# Altium PCB LED_12T-V1.1拼.PcbDoc (part 5 of 5)
Units mm, origin at the board's own origin, x right, y up, seen from the top; angles counter-clockwise.
Board outline 152.4 x 101.6 mm, 2 copper layers (Top Layer, Bottom Layer); 148 components, 0 nets, 416 pads, 236 vias.
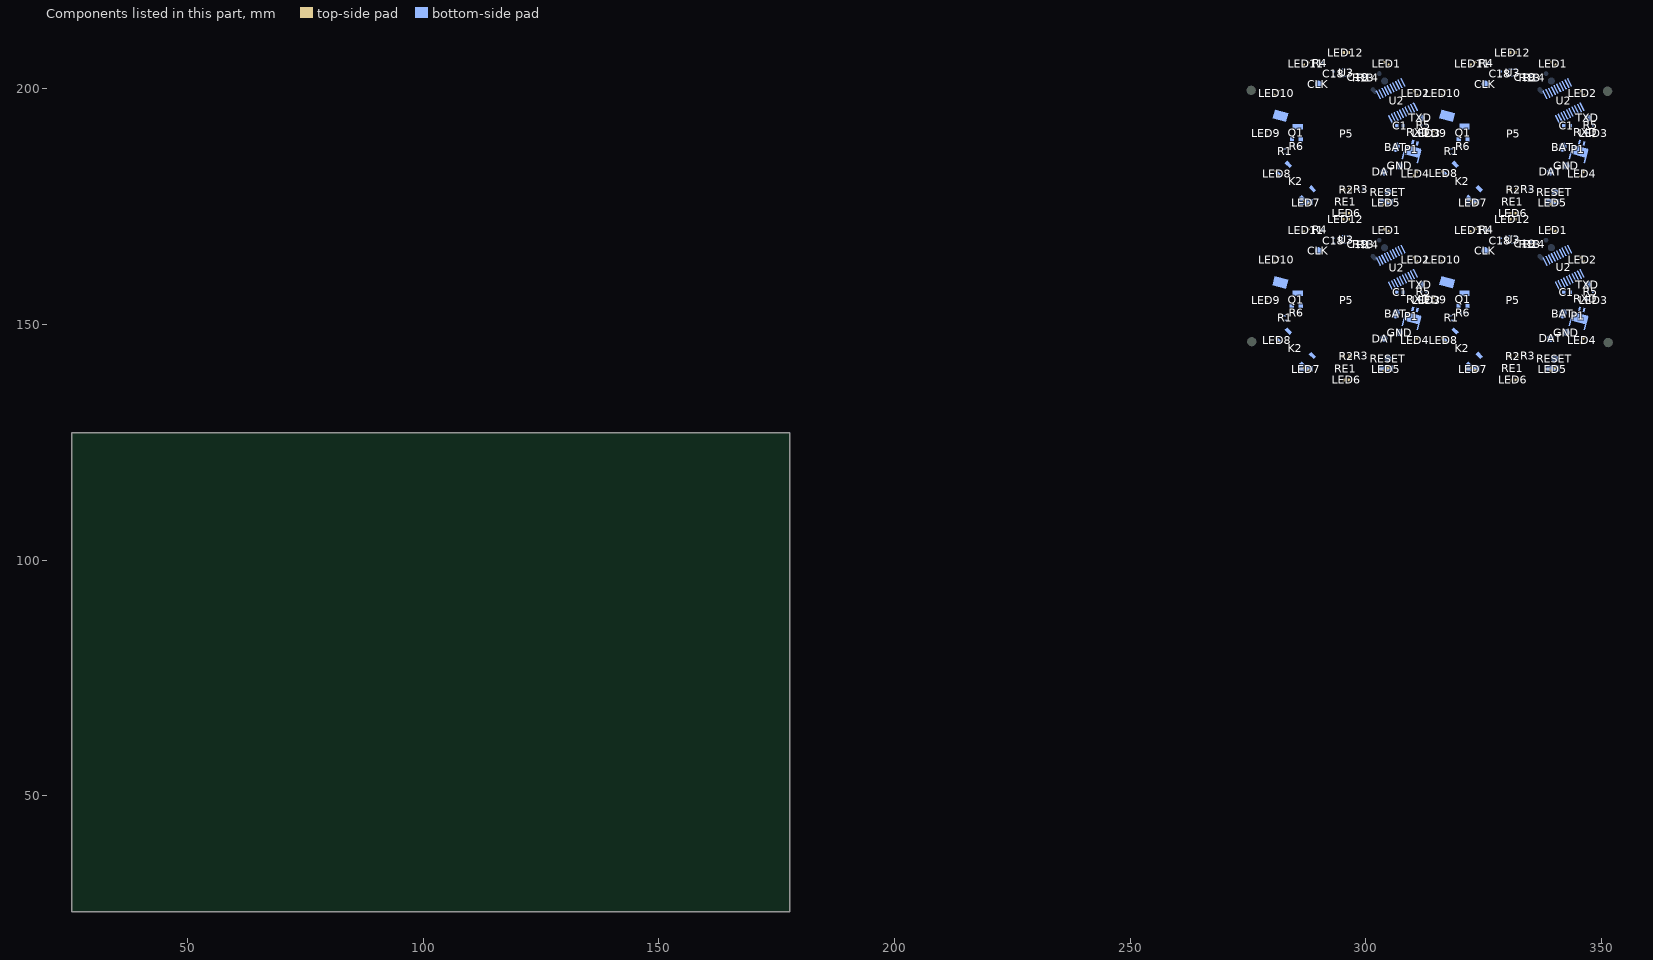
[diagram p5: the components of this part, seen from the top]

## Via types
v1: diameter 0.5, hole 0.3, Top Layer to Bottom Layer, 236 vias

## Nets (pads, with @x,y where several pads share a name; then routed paths per layer and width w, separated by ;. In a path a pad name is that pad's centre, name@x,y a point inside that pad or via, vN(x,y) a via of type N, cw(c..) or ccw(c..) an arc to the next point about the centre after c; other vN are vias at no path point) (continued)
copper on no net: (continued)
  Bottom Layer w0.254: v1@344.305,191.159 344.291,191.974 344.546,192.006 344.728,191.928 344.82,190.807 ; v1@344.349,155.683 345.333,153.453 ; v1@344.354,191.042 345.339,188.812 ; v1@344.357,155.782 v1@344.472,156.348 ; v1@344.363,191.141 v1@344.478,191.707 ; 344.371,152.908 344.443,152.871 ; v1@344.372,155.767 v1@344.379,156.334 ; 344.375,152.54 344.388,152.794 ; 344.376,188.267 344.449,188.23 ; v1@344.377,191.126 v1@344.384,191.693 ; v1@344.379,155.678 345.434,153.599 ; 344.38,187.899 344.393,188.153 ; v1@344.384,191.037 345.439,188.958 ; 344.409,148.722 v1@344.52,148.975 ; 344.414,152.899 344.805,152.194 ; 344.414,184.081 v1@344.525,184.334 ; 344.419,188.258 344.811,187.553 ; 344.428,153.335 344.438,153.325 344.438,152.942 ; 344.433,188.694 344.443,188.684 344.443,188.301 ; v1@344.505,155.82 345.581,153.798 ; v1@344.511,191.179 345.587,189.158 ; v1@344.516,155.885 345.476,153.913 ; v1@344.521,191.244 345.482,189.273 ; 344.547,148.422 344.833,148.86 ; 344.553,183.781 344.839,184.219 ; 344.593,152.604 344.593,152.585 345.3,152.024 346.385,151.929 ; 344.599,187.963 344.599,187.944 345.305,187.383 346.391,187.288 ; v1@344.63,156.391 344.637,155.638 ; v1@344.635,191.751 344.643,190.997 ; v1@344.651,162.094 345.149,162.064 345.558,161.649 ; 344.654,160.333 346.153,157.552 346.424,157.077 347.029,156.762 ; v1@344.657,197.453 345.155,197.423 345.564,197.009 ; 344.66,195.692 346.158,192.911 346.43,192.436 347.034,192.121 ; v1@344.685,149.201 345.248,148.639 345.077,148.422 ; v1@344.691,184.56 345.253,183.998 345.083,183.781 ; 344.707,148.883 343.203,146.058 343.195,146.027 344.944,148.738 ; 344.712,184.242 343.209,181.417 343.201,181.386 344.949,184.097 ; 344.792,148.938 345.082,148.653 ; 344.797,184.298 345.088,184.012 ; 344.881,152.124 346.108,152.274 346.043,152.604 345.871,152.188 ; 344.887,187.483 346.113,187.634 346.049,187.964 345.877,187.548 ; 344.934,152.362 344.944,152.362 345.883,152.122 ; 344.939,187.721 344.949,187.721 345.888,187.481 ; 345.134,154.431 345.434,154.167 ; 345.14,189.79 345.439,189.526 ; 345.235,151.875 345.522,151.875 346.031,152.383 346.031,152.566 ; 345.241,187.234 345.528,187.234 346.037,187.743 346.037,187.925 ; 345.256,165.216 345.412,164.572 345.863,164.297 ; 345.261,200.575 345.418,199.931 345.868,199.656 ; 345.291,160.56 346.109,158.97 346.571,158.105 ; 345.297,195.919 346.114,194.329 346.577,193.464 ; 345.646,159.794 346.942,158.612 ; 345.652,195.153 346.948,193.971 ; 346.016,152.2 346.374,153.254 ; 346.022,187.559 346.379,188.613 ; 346.154,152.268 346.19,152.2 ; 346.159,187.627 346.196,187.56 ; 346.174,159.14 346.816,158.458 ; 346.179,194.499 346.822,193.817 ; 346.19,151.842 346.19,152.56 ; 346.195,187.201 346.195,187.919 ; 346.256,152.06 346.435,153.226 ; 346.262,187.419 346.44,188.585 ; 346.283,155.476 346.375,157.106 ; 346.289,190.835 346.38,192.465 ; 346.334,152.123 346.563,152.73 ; 346.34,187.482 346.569,188.089 ; 346.341,152.393 346.354,152.501 ; 346.342,157.302 347.033,157.13 347.116,157.093 ; 346.346,187.752 346.36,187.86 ; 346.348,192.661 347.038,192.489 347.122,192.452 ; 346.397,158.721 346.512,158.389 ; 346.403,194.08 346.518,193.748 ; 346.442,151.697 346.731,152.801 346.485,153.221 ; 346.442,155.445 346.595,157.015 346.595,157.027 ; 346.448,187.056 346.736,188.16 346.491,188.58 ; 346.448,190.804 346.6,192.374 346.6,192.386 ; 346.507,152.886 346.552,152.819 ; 346.513,188.245 346.558,188.178 ; 346.563,152.453 346.766,151.954 ; 346.569,187.812 346.772,187.313 ; 346.583,155.751 346.723,156.257 346.723,156.282 ; 346.588,191.11 346.729,191.617 346.729,191.641 ; 346.607,156.987 346.844,155.802 ; 346.613,192.346 346.85,191.161 ; 346.63,157.139 347.088,156.949 ; 346.635,192.499 347.094,192.309 ; 346.719,152.423 346.84,152.177 347.004,151.843 ; 346.725,187.782 346.846,187.536 347.009,187.202 ; 346.787,156.93 346.967,155.788 ; 346.793,192.289 346.973,191.147 ; 346.848,152.3 346.87,152.287 346.982,152.222 ; 346.851,155.195 347.22,155.815 347.071,156.4 ; 346.853,187.659 346.875,187.646 346.987,187.581 ; 346.857,190.554 347.225,191.174 347.076,191.759 ; 346.882,155.555 347.102,155.952 ; 346.887,190.914 347.107,191.311 ; 346.947,151.655 347.094,151.753 347.094,151.789 ; 346.953,187.014 347.1,187.112 347.099,187.148 ; 346.988,152.244 347.077,152.201 347.149,152.166 ; 346.993,187.603 347.082,187.56 347.154,187.525 ; 347.013,156.981 347.068,156.017 ; 347.019,192.34 347.073,191.377 ; 347.026,152.105 347.049,152.005 ; 347.032,187.464 347.054,187.364 ; 347.169,156.927 347.19,155.97 ; 347.175,192.286 347.195,191.329 ; 347.656,154.136 v1@347.73,153.417 ; 347.661,189.495 v1@347.736,188.776 ; 348.089,156.969 348.11,156.602 348.26,156.249 v1@348.264,156.26 ; 348.095,192.328 348.116,191.961 348.266,191.608 v1@348.269,191.619 ; 348.118,157.189 348.289,157.969 ; 348.123,192.548 348.294,193.328 ; 348.249,157.396 348.299,157.079 ; 348.255,192.755 348.305,192.438 ; 348.303,156.698 v1@348.328,156.477 ; 348.308,192.057 v1@348.333,191.836
  Bottom Layer w0.3: 304.542,141.065 304.559,141.534 ; 304.548,176.424 304.565,176.893 ; 304.724,140.848 304.933,142.271 ; 304.73,176.207 304.938,177.631 ; 304.832,142.879 307.216,145.462 ; 304.838,178.238 307.221,180.821 ; 304.895,142.648 307.289,145.158 ; 304.901,178.007 307.295,180.517 ; 305.221,142.847 307.058,144.559 ; 305.226,178.206 307.064,179.918 ; 339.925,141.074 339.942,141.543 ; 339.93,176.433 339.948,176.902 ; 340.107,140.857 340.315,142.28 ; 340.113,176.216 340.321,177.639 ; 340.215,142.888 342.599,145.471 ; 340.22,178.247 342.604,180.83 ; 340.278,142.657 342.672,145.166 ; 340.283,178.016 342.678,180.526 ; 340.603,142.856 342.441,144.568 ; 340.609,178.215 342.447,179.927
  other v1: 297.369,139.863 332.752,139.872 291.151,139.981 326.534,139.99 306.057,142.092 341.44,142.101 283.651,144.149 319.033,144.158 298.398,144.158 333.78,144.167 282.919,144.983 318.302,144.992 287.791,145.608 323.174,145.617 303.802,147.038 339.185,147.047 310.277,147.323 345.659,147.332 310.982,148.252 346.365,148.261 307.134,148.318 342.517,148.327 309.187,149.098 344.57,149.107 280.389,149.47 315.771,149.479 278.861,153.848 314.244,153.857 282.575,154.439 317.958,154.448 309.035,155.794 344.418,155.803 281.68,156.021 317.063,156.03 279.376,156.055 314.759,156.064 312.989,156.339 348.372,156.347 309.128,156.39 344.511,156.399 285.212,157.247 320.595,157.256 283.651,157.673 319.034,157.682 283.75,158.077 319.132,158.086 283.897,158.47 319.28,158.479 284.055,159.001 319.437,159.01 304.847,159.719 340.23,159.727 304.053,159.814 339.436,159.822 305.941,160.177 341.324,160.186 305.56,160.23 340.943,160.238 307.922,161.954 343.305,161.963 280.447,162.606 315.83,162.615 308.112,162.639 343.495,162.648 310.272,163.037 345.655,163.046 305.024,163.101 340.407,163.11 283.112,163.264 318.495,163.272 281.894,163.954 317.277,163.963 308.515,164.412 343.898,164.421 310.14,164.677 345.523,164.686 289.719,165.935 325.102,165.944 295.237,166.609 296.18,166.624 330.62,166.618 331.562,166.633 294.509,166.69 329.892,166.699 297.125,167.157 332.508,167.166 304.379,167.435 339.761,167.444 297.591,167.698 332.974,167.707 286.421,169.053 321.804,169.062 303.282,170.752 338.665,170.761 294.767,172.486 330.149,172.495 297.374,175.222 332.757,175.231 291.156,175.34 326.539,175.349 306.063,177.451 341.446,177.46 283.656,179.508 298.403,179.517 319.039,179.517 333.786,179.526 282.925,180.342 318.308,180.351 287.797,180.967 323.18,180.976 303.808,182.397 339.19,182.406 310.282,182.682 345.665,182.691 310.987,183.611 346.37,183.62 307.139,183.677 342.522,183.686 309.193,184.457 344.576,184.466 280.394,184.829 315.777,184.838 278.867,189.207 314.25,189.216 282.581,189.799 317.964,189.807 309.04,191.153 344.423,191.162 281.686,191.38 317.069,191.389 279.381,191.414 314.764,191.423 312.995,191.698 348.377,191.706 309.134,191.749 344.516,191.758 285.218,192.606 320.601,192.615 283.657,193.033 319.04,193.041 283.755,193.436 319.138,193.445 283.903,193.829 319.286,193.838 284.06,194.36 319.443,194.369 304.853,195.078 340.236,195.087 304.059,195.173 339.442,195.182 305.946,195.536 341.329,195.545 305.566,195.589 340.948,195.597 307.928,197.313 343.31,197.322 280.453,197.965 315.836,197.974 308.118,197.998 343.501,198.007 310.277,198.396 345.66,198.405 305.03,198.461 340.413,198.469 283.118,198.623 318.501,198.632 281.899,199.313 317.282,199.322 308.521,199.771 343.904,199.78 310.146,200.036 345.529,200.045 289.725,201.294 325.107,201.303 295.242,201.969 296.185,201.983 330.625,201.977 331.568,201.992 294.515,202.049 329.898,202.058 297.13,202.516 332.513,202.525 304.384,202.795 339.767,202.803 297.597,203.057 332.98,203.066 286.427,204.413 321.809,204.421 303.287,206.111 338.67,206.12 294.772,207.845 330.155,207.854

## Keep-outs
Keep-Out Layer:
  lines w0.1: 284.046,155.924 284.046,154.568 286.549,154.568 ; 284.052,191.283 284.052,189.927 286.555,189.927 ; 284.12,155.927 286.645,155.927 ; 284.126,191.286 286.65,191.286 ; 286.557,154.559 287.231,152.7 ; 286.562,189.918 287.236,188.059 ; 286.644,155.928 287.231,157.896 ; 286.649,191.287 287.236,193.255 ; 319.429,155.933 319.429,154.577 321.932,154.577 ; 319.435,191.292 319.435,189.936 321.938,189.936 ; 319.503,155.936 322.028,155.936 ; 319.509,191.295 322.033,191.295 ; 321.94,154.568 322.614,152.708 ; 321.945,189.927 322.619,188.068 ; 322.026,155.937 322.614,157.905 ; 322.032,191.296 322.619,193.264
  lines w0.127: 273.093,137.552 273.093,208.259 273.079,208.273 278.152,208.273 ; 273.159,137.547 278.135,137.547 ; 278.147,137.549 278.147,208.273 ; 278.712,159.679 cw(c295.861,155.296) 282.05,166.367 ; 278.717,195.038 cw(c295.866,190.655) 282.055,201.726 ; 278.753,159.835 ccw(c295.861,155.296) 306.915,141.472 ; 278.758,195.194 ccw(c295.866,190.655) 306.92,176.831 ; 282.045,166.372 282.351,166.114 cw(c295.795,155.226) 284.906,168.669 284.649,168.976 ; 282.051,201.731 282.357,201.473 cw(c295.8,190.585) 284.912,204.028 284.654,204.335 ; 284.736,169.03 cw(c295.848,155.253) 313.522,154.295 ; 284.742,204.389 cw(c295.854,190.612) 313.528,189.654 ; 287.225,157.873 290.479,164.28 cw(c292.797,163.103) 292.797,165.703 ; 287.231,193.232 290.485,199.639 cw(c292.803,198.462) 292.803,201.062 ; 287.238,152.676 290.492,146.269 ccw(c292.81,147.446) 292.81,144.846 298.912,144.846 ; 287.238,157.916 290.492,164.323 cw(c292.81,163.146) 292.81,165.746 298.912,165.746 ; 287.243,188.036 290.497,181.628 ccw(c292.815,182.805) 292.815,180.205 298.917,180.205 ; 287.243,193.275 290.497,199.683 cw(c292.815,198.505) 292.815,201.105 298.917,201.105 ; 298.885,165.754 cw(c298.885,163.154) 301.203,164.332 ; 298.89,201.113 cw(c298.89,198.513) 301.209,199.691 ; 301.218,146.226 304.471,152.633 ; 301.223,181.585 304.477,187.992 ; 301.23,164.323 304.49,157.903 ; 301.235,199.683 304.496,193.262 ; 304.463,157.889 cw(c299.19,155.211) 305.032,156.127 ; 304.468,193.248 cw(c299.195,190.57) 305.038,191.486 ; 304.473,152.639 ccw(c299.314,155.258) 304.473,157.878 ; 304.478,187.998 ccw(c299.319,190.617) 304.478,193.237 ; 304.509,152.727 301.23,146.269 ; 304.515,188.086 301.235,181.628 ; 306.94,141.444 306.683,141.751 ccw(c295.794,155.194) 309.238,144.305 309.544,144.048 ; 306.946,176.803 306.689,177.11 ccw(c295.8,190.553) 309.243,179.664 309.55,179.407 ; 309.577,144.081 ccw(c295.848,155.253) 313.524,154.328 ; 309.583,179.44 ccw(c295.854,190.612) 313.53,189.687 ; 314.095,159.687 cw(c331.244,155.305) 317.433,166.375 ; 314.1,195.047 cw(c331.249,190.664) 317.438,201.735 ; 314.135,159.844 ccw(c331.244,155.305) 342.297,141.481 ; 314.141,195.203 ccw(c331.249,190.664) 342.303,176.84 ; 317.428,166.38 317.734,166.123 cw(c331.178,155.235) 320.289,168.678 320.032,168.984 ; 317.433,201.74 317.74,201.482 cw(c331.183,190.594) 320.294,204.037 320.037,204.344 ; 320.119,169.039 cw(c331.231,155.262) 348.905,154.304 ; 320.125,204.398 cw(c331.237,190.621) 348.911,189.663 ; 322.608,157.882 325.862,164.289 cw(c328.18,163.112) 328.18,165.712 ; 322.614,193.241 325.868,199.648 cw(c328.186,198.471) 328.186,201.071 ; 322.621,152.685 325.874,146.278 ccw(c328.193,147.455) 328.193,144.855 334.294,144.855 ; 322.621,157.925 325.874,164.332 cw(c328.193,163.155) 328.193,165.755 334.294,165.755 ; 322.626,188.044 325.88,181.637 ccw(c328.198,182.814) 328.198,180.214 334.3,180.214 ; 322.626,193.284 325.88,199.691 cw(c328.198,198.514) 328.198,201.114 334.3,201.114 ; 334.268,165.763 cw(c334.268,163.163) 336.586,164.341 ; 334.273,201.122 cw(c334.273,198.522) 336.591,199.7 ; 336.6,146.235 339.854,152.642 ; 336.606,181.594 339.86,188.001 ; 336.613,164.332 339.873,157.912 ; 336.618,199.691 339.879,193.271 ; 339.845,157.898 cw(c334.572,155.22) 340.415,156.136 ; 339.851,193.257 cw(c334.578,190.579) 340.42,191.495 ; 339.856,152.647 ccw(c334.697,155.267) 339.856,157.887 ; 339.861,188.007 ccw(c334.702,190.626) 339.861,193.246 ; 339.892,152.736 336.613,146.278 ; 339.897,188.095 336.618,181.637 ; 342.323,141.453 342.066,141.76 ccw(c331.177,155.203) 344.621,144.314 344.927,144.057 ; 342.329,176.812 342.072,177.119 ccw(c331.183,190.562) 344.626,179.673 344.933,179.416 ; 344.96,144.09 ccw(c331.231,155.262) 348.907,154.336 ; 344.966,179.449 ccw(c331.237,190.621) 348.913,189.696 ; 348.931,137.608 354.003,137.608 353.99,137.622 353.99,208.329 ; 348.936,137.608 348.936,208.331 ; 348.948,208.334 353.924,208.334 ; 298.912,144.846 ccw(c298.912,147.446) 301.23,146.269 ; 298.912,144.846 ccw(c298.912,147.446) 301.23,146.269 ; 298.917,180.205 ccw(c298.917,182.805) 301.235,181.628 ; 298.917,180.205 ccw(c298.917,182.805) 301.235,181.628 ; 334.294,144.855 ccw(c334.294,147.455) 336.613,146.278 ; 334.294,144.855 ccw(c334.294,147.455) 336.613,146.278 ; 334.3,180.214 ccw(c334.3,182.814) 336.618,181.637 ; 334.3,180.214 ccw(c334.3,182.814) 336.618,181.637

## Silkscreen, mask and mechanical layers (free items; w line width, h text height)
Bottom Overlay:
  lines w0.1: 304.877,154.041 304.961,154.124 313.536,154.124 ; 304.882,189.4 304.966,189.484 313.542,189.484 ; 305.031,156.221 305.045,156.235 313.584,156.235 ; 305.036,191.58 305.05,191.594 313.59,191.594 ; 340.26,154.05 340.344,154.133 348.919,154.133 ; 340.265,189.409 340.349,189.492 348.925,189.492 ; 340.413,156.23 340.427,156.244 348.967,156.244 ; 340.419,191.589 340.433,191.603 348.972,191.603
  lines w0.5: 283.432,156.852 284.665,158.039 ; 283.438,192.211 284.67,193.398 ; 318.815,156.861 320.048,158.048 ; 318.821,192.22 320.053,193.407
  text "I2C_SCL" at 338.908,203.347 h0.8 r315
  text "YZL-W-12T-V1.1" at 285.359,203.331 h1.52 r90
  text "I2C_SCL" at 303.525,203.338 h0.8 r315
  text "YZL-W-12T-V1.1" at 320.741,203.34 h1.52 r90
  text "P12" at 305.893,202.311 h0.8 r45
  text "P12" at 341.276,202.32 h0.8 r45
  text "2019-10-19" at 322.062,201.665 h1.52 r90
  text "2019-10-19" at 286.679,201.656 h1.52 r90
  text "DAT" at 301.495,199.69 h0.7 r315
  text "DAT" at 336.878,199.699 h0.7 r315
  text "-" at 346.402,189.803 h3 r180
  text "-" at 311.02,189.794 h3 r180
  text "I2C_SCL" at 338.902,167.988 h0.8 r315
  text "YZL-W-12T-V1.1" at 285.353,167.972 h1.52 r90
  text "I2C_SCL" at 303.519,167.979 h0.8 r315
  text "YZL-W-12T-V1.1" at 320.736,167.981 h1.52 r90
  text "P12" at 305.887,166.952 h0.8 r45
  text "P12" at 341.27,166.961 h0.8 r45
  text "2019-10-19" at 286.674,166.297 h1.52 r90
  text "2019-10-19" at 322.057,166.306 h1.52 r90
  text "DAT" at 301.49,164.331 h0.7 r315
  text "DAT" at 336.873,164.34 h0.7 r315
  text "-" at 311.014,154.435 h3 r180
  text "-" at 346.397,154.444 h3 r180
Bottom Solder:
  lines w0.2: 301.893,163.748 302.192,162.918 302.351,162.661 302.797,162.533 ; 301.899,199.107 302.198,198.277 302.357,198.02 302.803,197.892 ; 302.156,163.431 302.425,162.777 ; 302.161,198.79 302.43,198.136 ; 302.247,163.571 302.583,162.637 ; 302.253,198.93 302.589,197.996 ; 337.276,163.757 337.575,162.926 337.734,162.67 338.18,162.542 ; 337.282,199.116 337.581,198.286 337.74,198.029 338.185,197.901 ; 337.539,163.439 337.807,162.786 ; 337.544,198.799 337.813,198.145 ; 337.63,163.58 337.966,162.646 ; 337.636,198.939 337.972,198.005

## Text inside footprints (layer, text, board x,y; h text height)
P5: Bottom Overlay "+" at 318.853,161.641 h3 r165
P5: Bottom Overlay "+" at 283.47,161.632 h3 r165
P5: Bottom Overlay "+" at 283.475,196.991 h3 r165
P5: Bottom Overlay "+" at 318.858,197 h3 r165
U3: Bottom Overlay "x" at 331.664,168.107 h0.8; Bottom Overlay "Y" at 331.191,167.519 h0.8
U3: Bottom Overlay "x" at 296.281,168.098 h0.8; Bottom Overlay "Y" at 295.808,167.51 h0.8
U3: Bottom Overlay "x" at 296.287,203.458 h0.8; Bottom Overlay "Y" at 295.813,202.869 h0.8
U3: Bottom Overlay "x" at 331.67,203.466 h0.8; Bottom Overlay "Y" at 331.196,202.878 h0.8